# Altium PCB USB-GPIB.PcbDoc
Units mm, origin at the board's own origin, x right, y up, seen from the top; angles counter-clockwise.
Board outline 54.7 x 49.85 mm, 4 copper layers (Top Layer, Layer 1, Layer 2, Bottom Layer), stack 1.585 mm thick; 46 components, 65 nets, 245 pads, 133 vias.
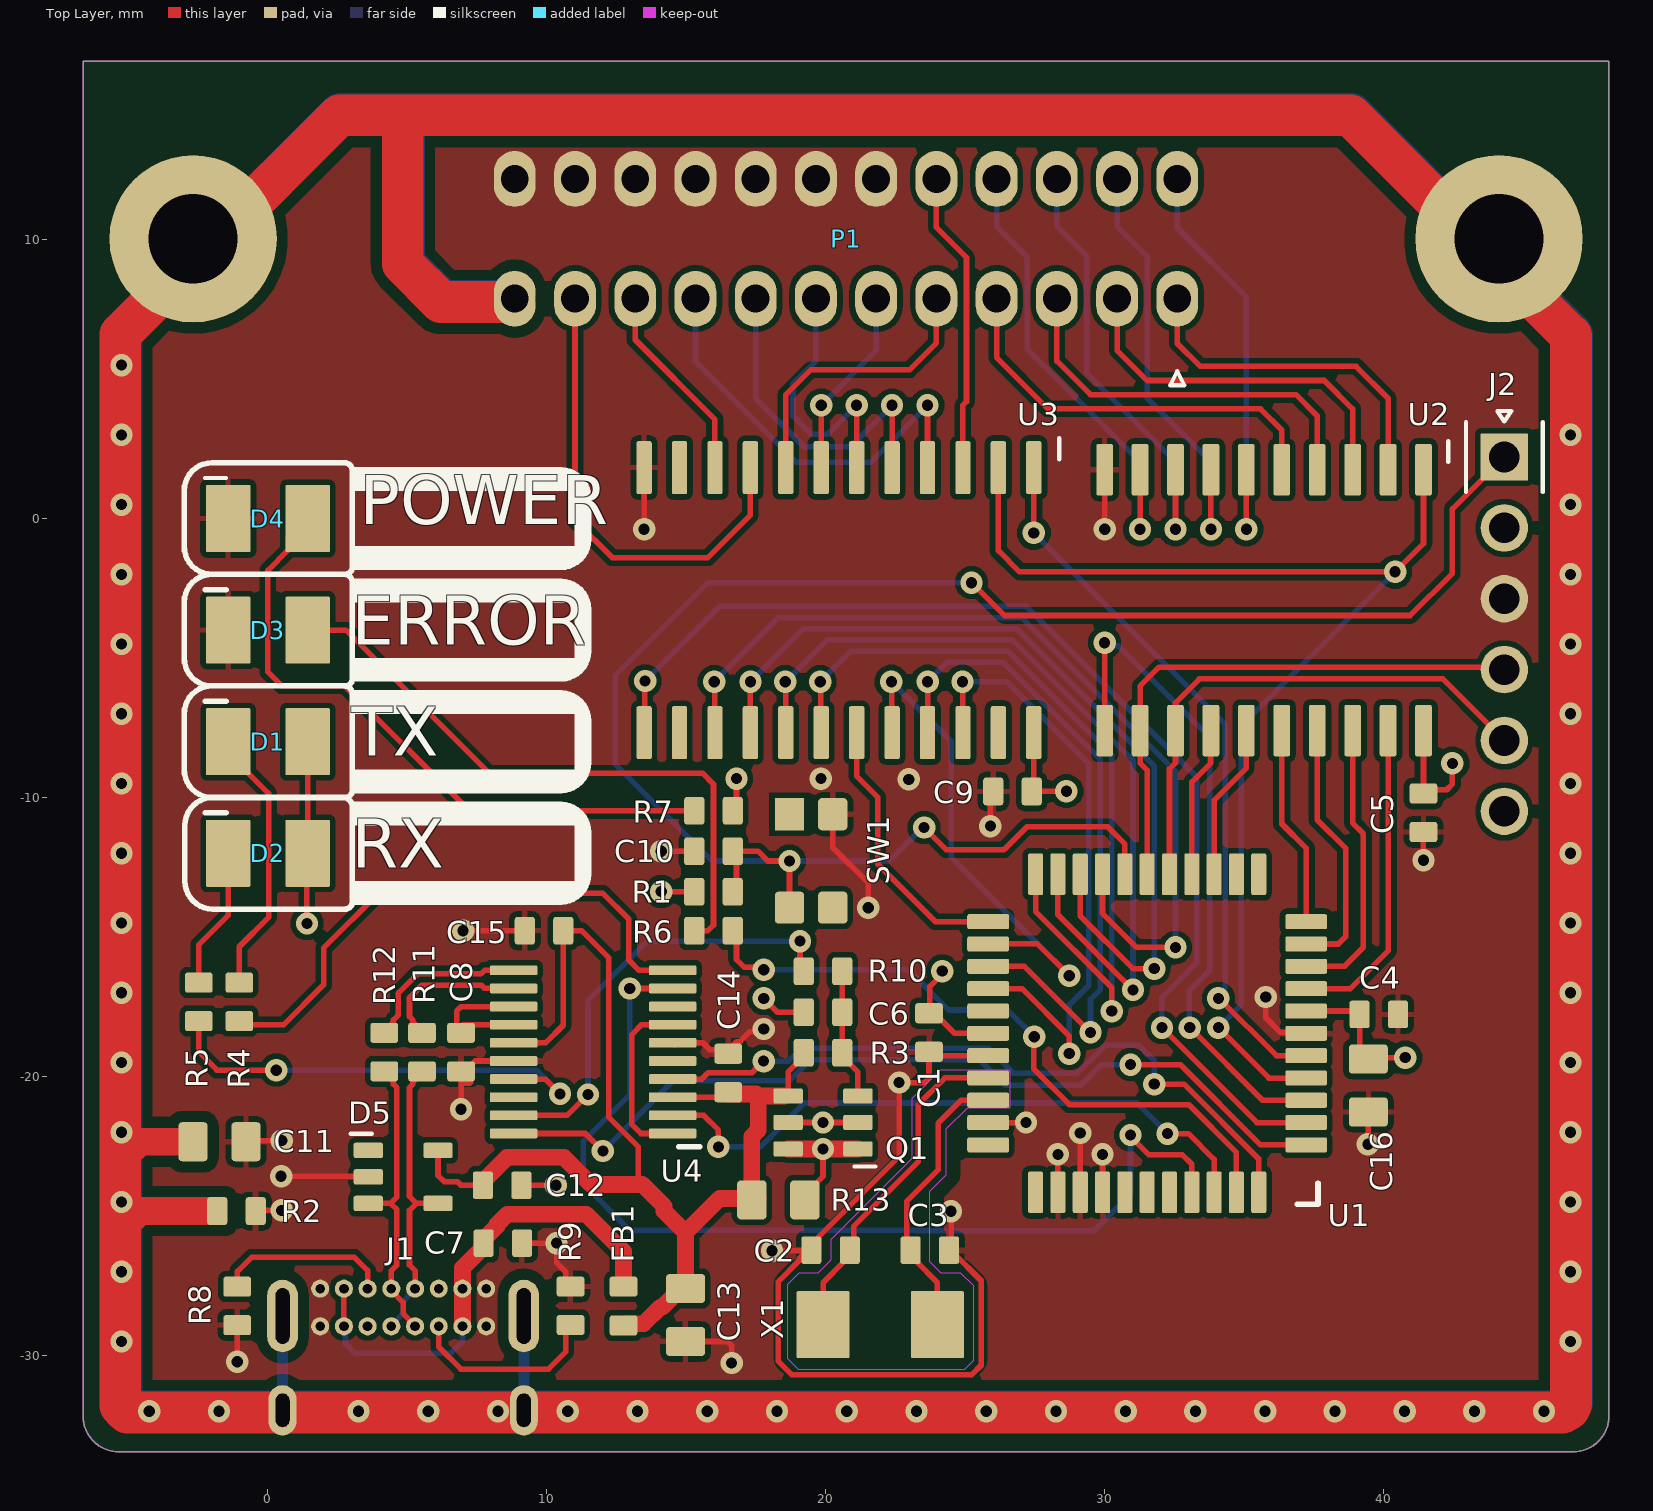
[diagram p0: Top Layer view]
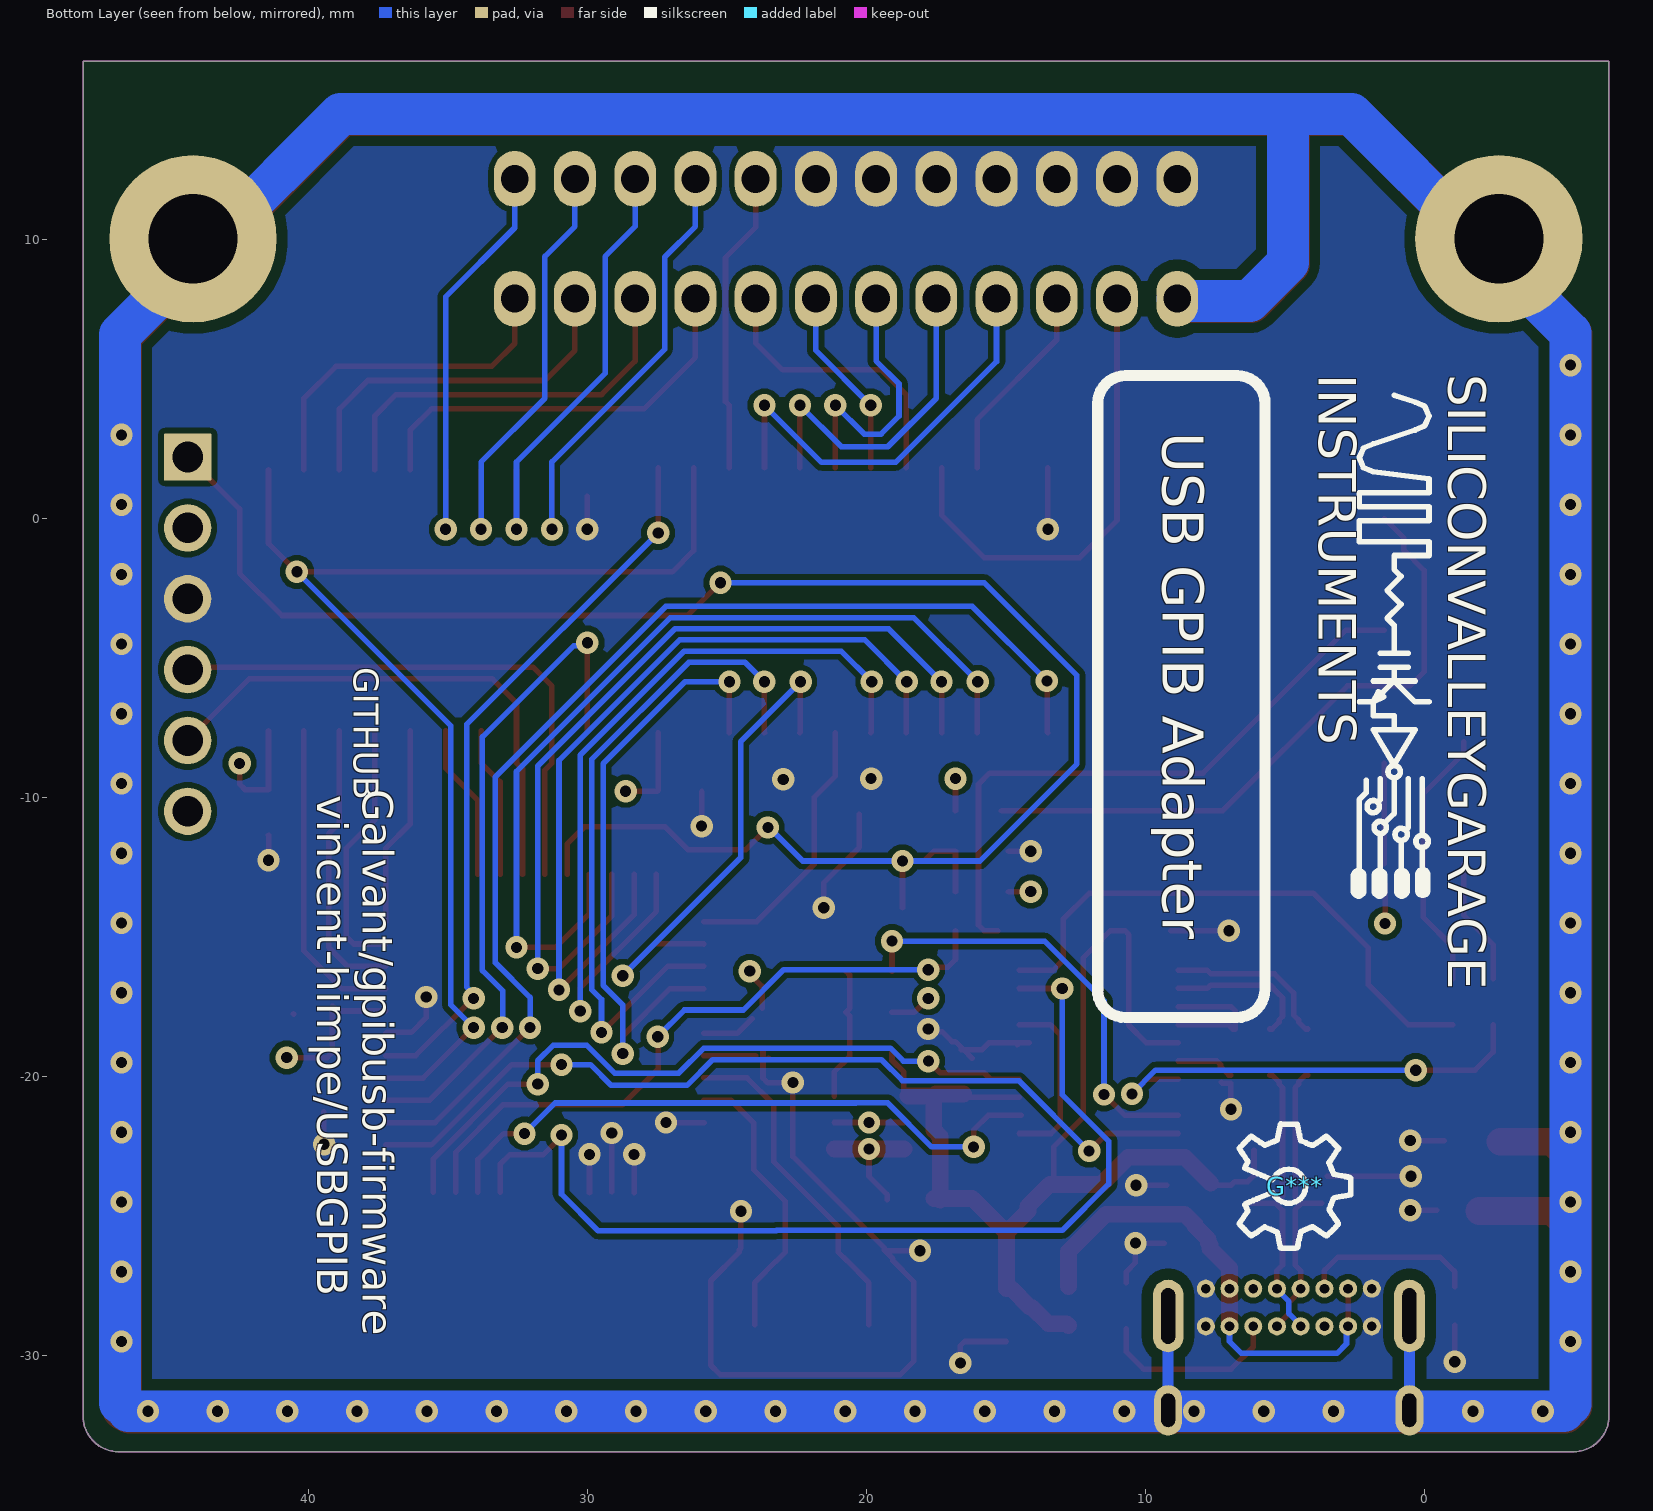
[diagram p1: Bottom Layer view, seen from below]
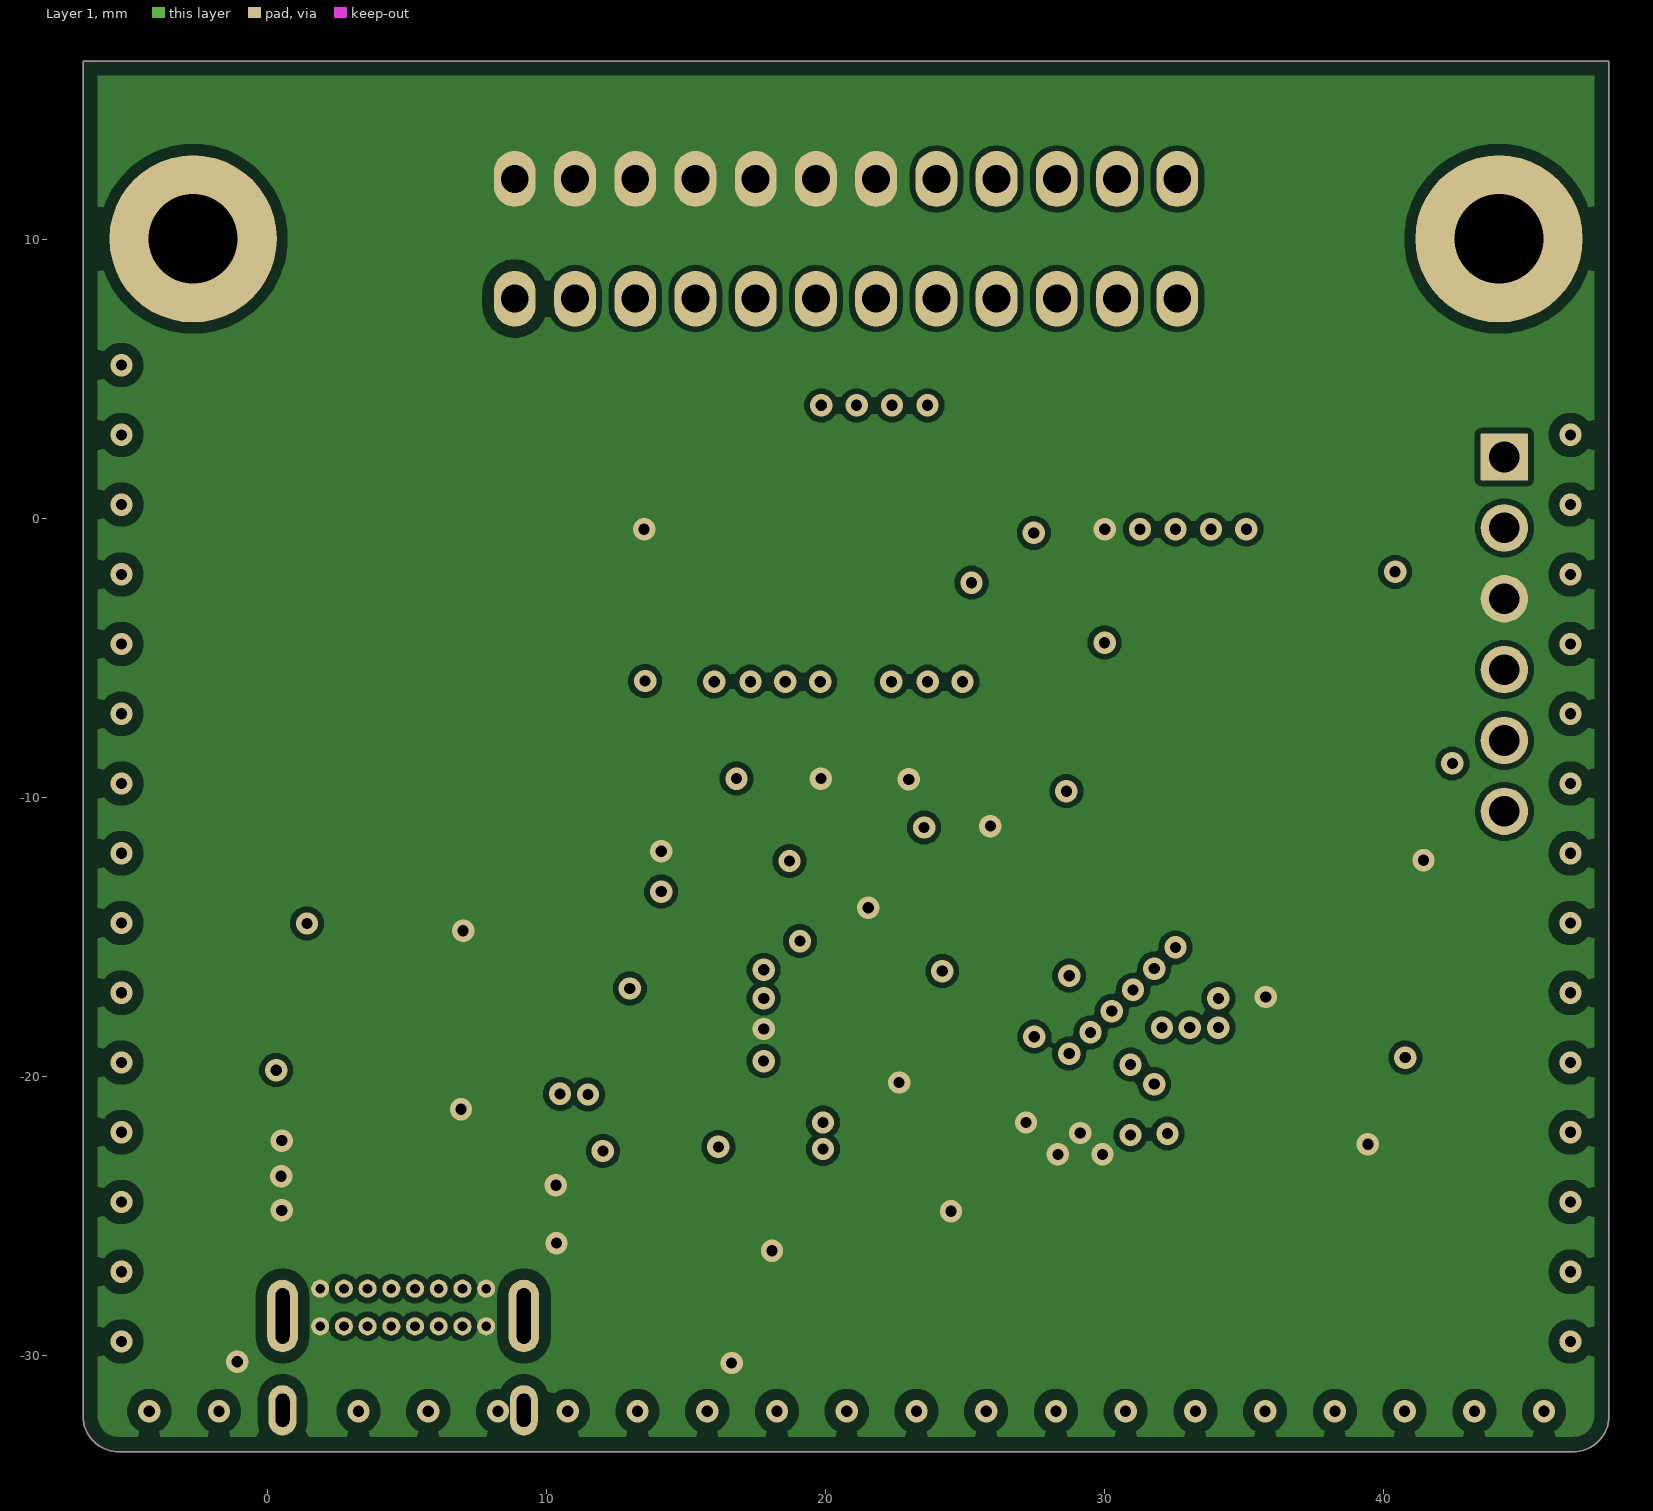
[diagram p2: Layer 1]
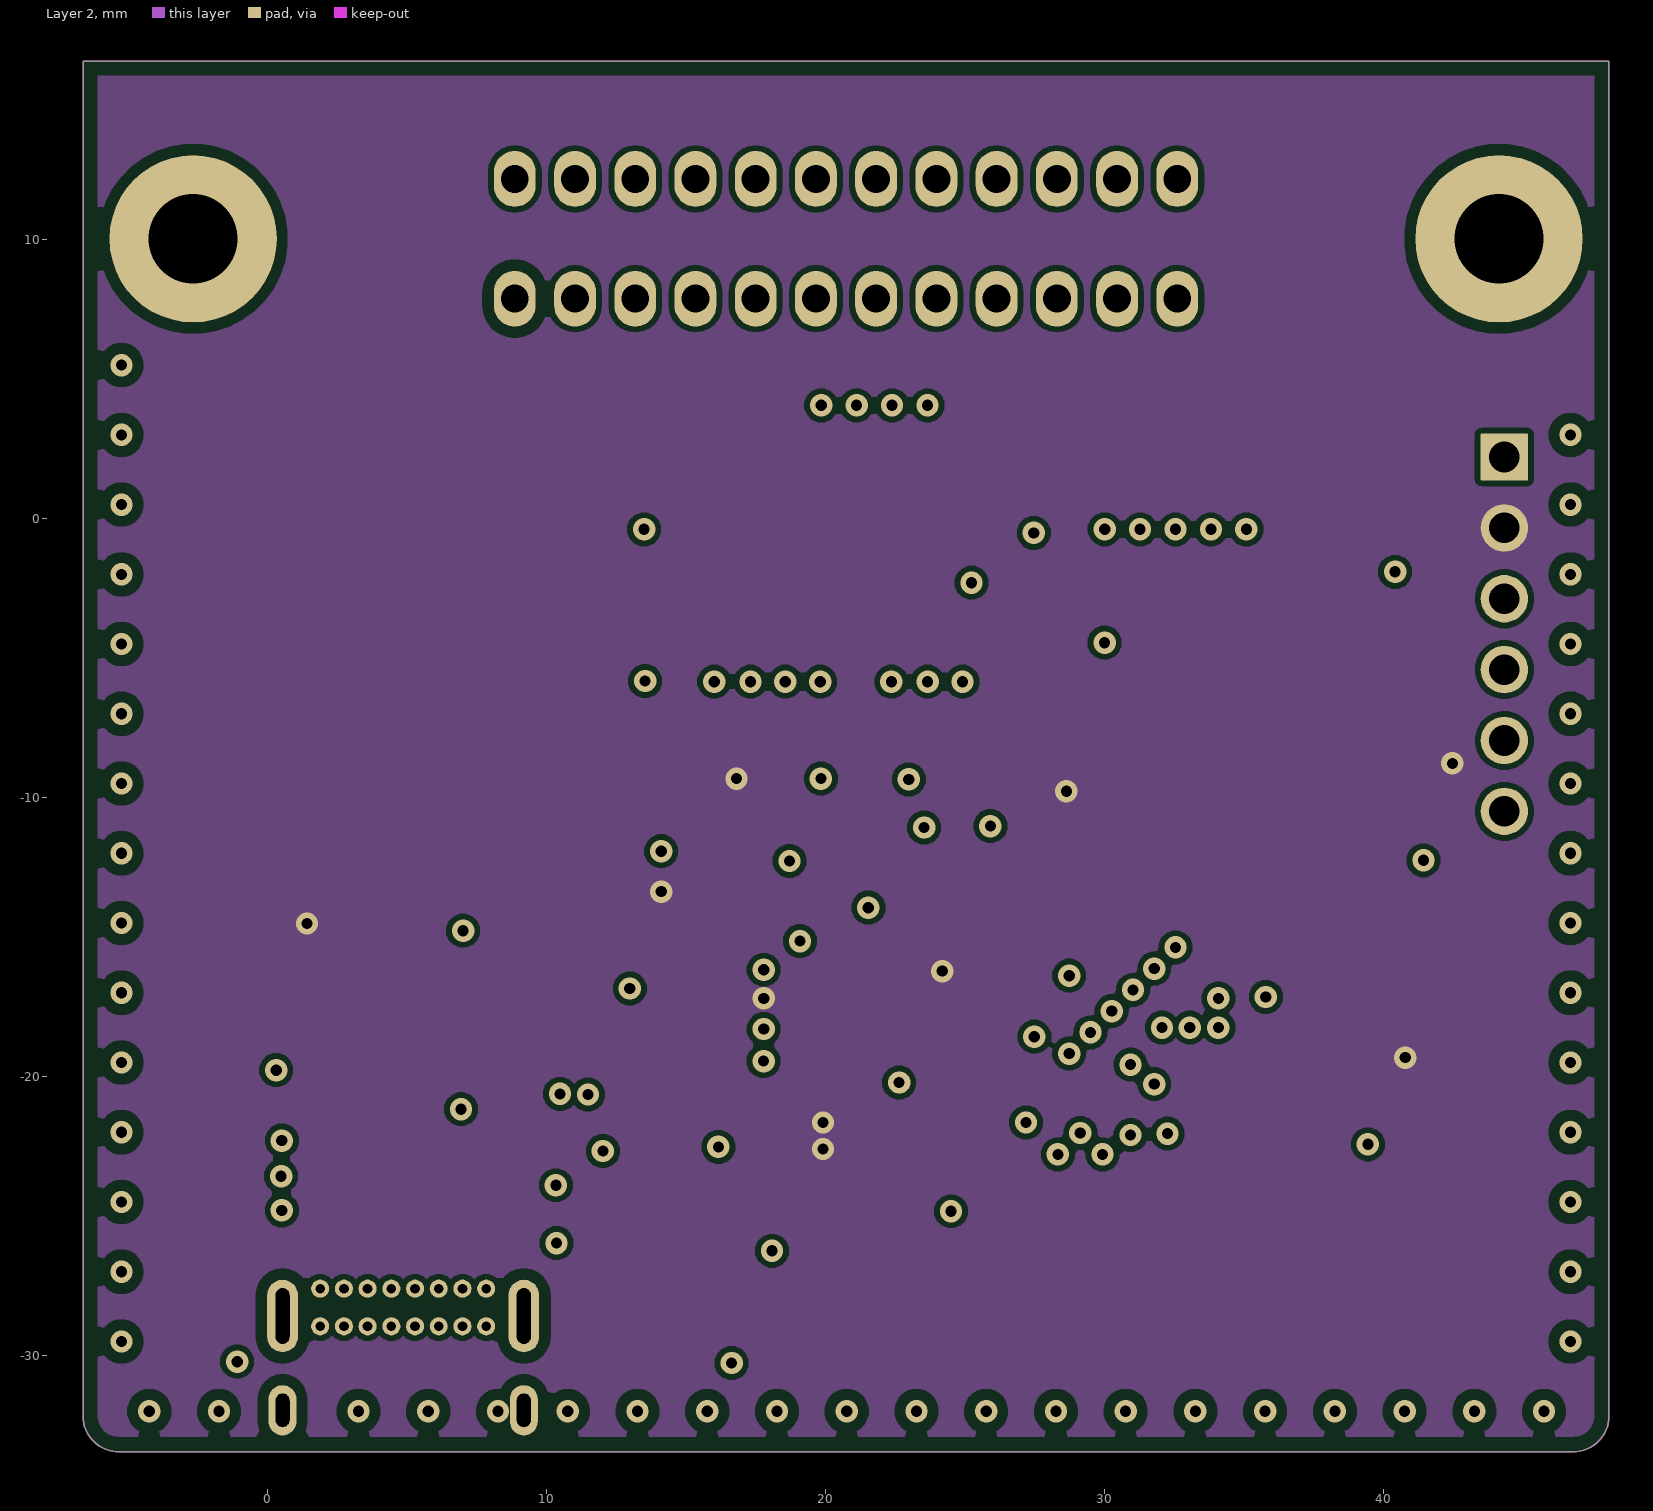
[diagram p3: Layer 2]
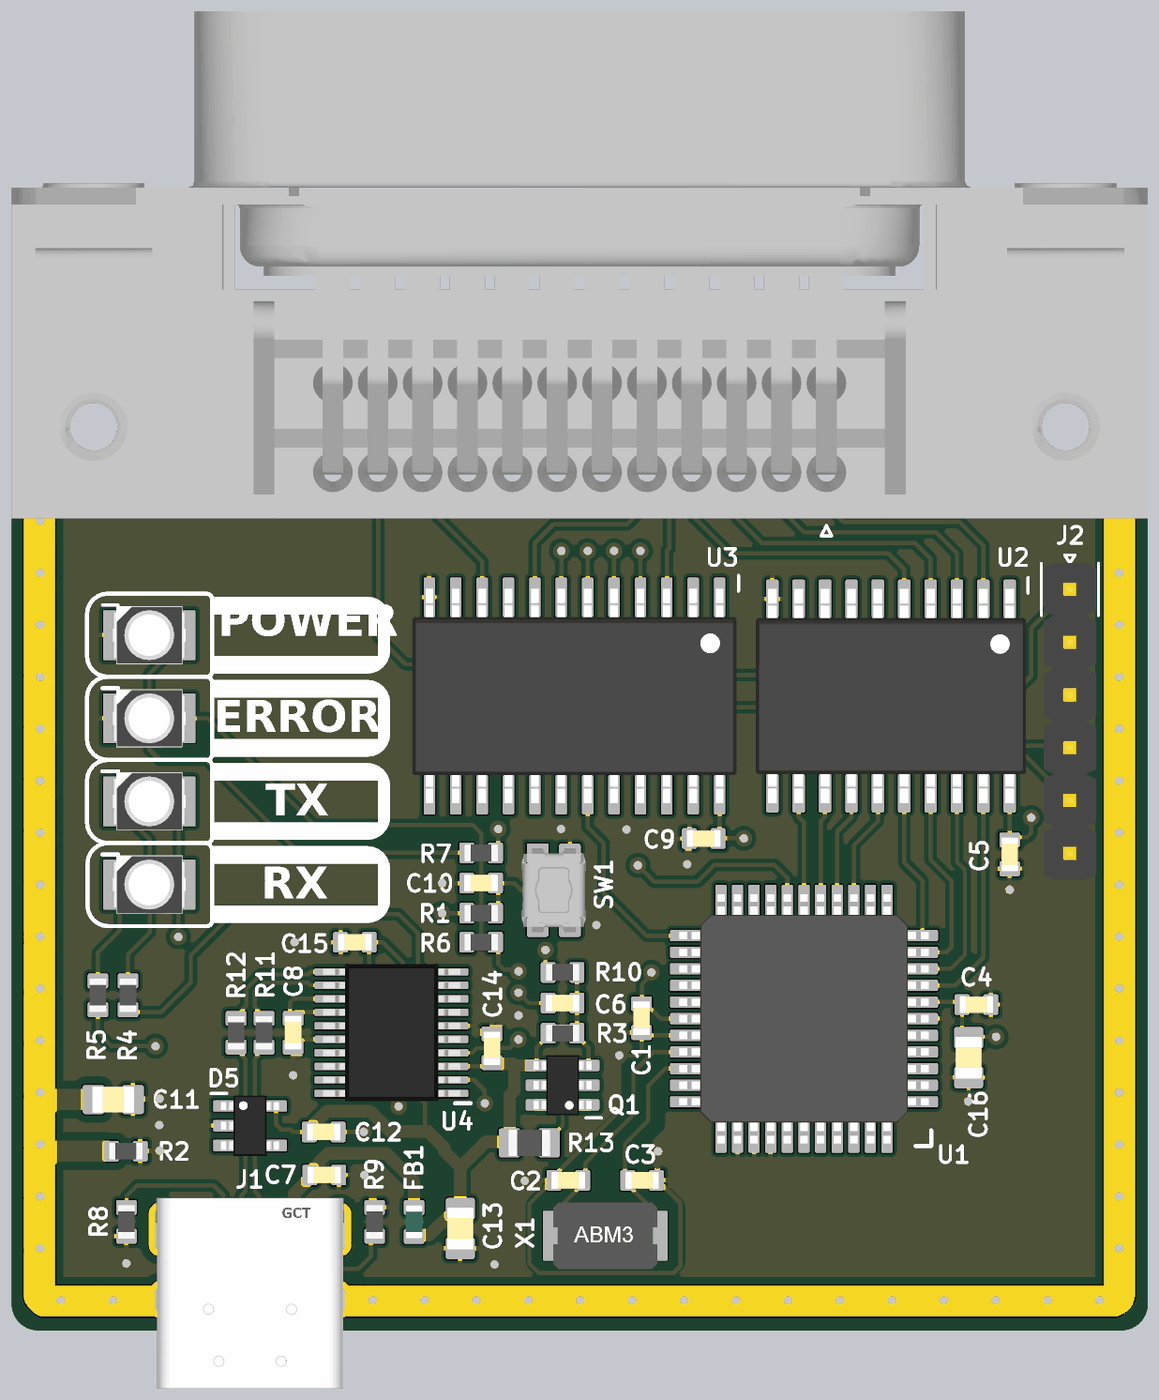
[diagram p4: 3D render of the assembled board from above, using the file's embedded part models]

## Layer stack, top to bottom
Top Solder: solder mask 0.01, Solder Resist, Dk 3.5
Top Layer: signal copper 0.035
Dielectric 2: prepreg 0.21, 7628 X 1, Dk 4.1
Layer 1: signal copper 0.015
Dielectric 1: core 1.065, FR-4, Dk 4.8
Layer 2: signal copper 0.015
Dielectric 3: prepreg 0.21, 7628 X 1, Dk 4.1
Bottom Layer: signal copper 0.035
Board Layer Stack Bottom Solder: solder mask 0.01, Solder Resist, Dk 3.5

## Board outline
-6.625,-32.18 ccw(c-5.355,-32.18) -5.355,-33.45 46.805,-33.45 ccw(c46.805,-32.18) 48.075,-32.18 48.075,16.4 -6.625,16.4

## Design rules (kind name [scope] priority, off if disabled: settings)
Clearance Clearance_2 [InNet('SHIELD')] p1: gap=0.4 ignorepadtopadclearanceinfootprint=FALSE
Clearance Clearance_1 [All vs IsKeepOut] p2: gap=0.5 ignorepadtopadclearanceinfootprint=FALSE
Clearance [All] p3: gap=0.2 ignorepadtopadclearanceinfootprint=FALSE
HoleSize [All] p1: absolutevalues=TRUE maxlimit=10 minlimit=0.025 maxpercent=80.000 minpercent=20.000
MinimumSolderMaskSliver [All] p1: minsoldermaskwidth=0.075
PolygonConnect [All] p1: thpad.connectstyle=Direct thpad.reliefconductorwidth=0.254 thpad.reliefentries=4 thpad.polygonreliefangle="90 Angle" thpad.airgapwidth=0.254 smdpad.connectstyle=Relief smdpad.reliefconductorwidth=0.2 smdpad.reliefentries=4 smdpad.polygonreliefangle="90 Angle" smdpad.airgapwidth=0.2 via.connectstyle=Direct via.reliefconductorwidth=0.254 via.reliefentries=4 via.polygonreliefangle="90 Angle" via.airgapwidth=0.254
RoutingVias [All] p1: holewidth=0.4 width=0.8 viastyle="Through Hole" minholewidth=0.4 minwidth=0.8 maxholewidth=0.5 maxwidth=1
SilkToSilkClearance [All] p1: silktosilkclearance=0.15
SilkToSolderMaskClearance [IsPad] p1: minsilkscreentomaskgap=0.1 clearancetoexposedcopper=TRUE
SolderMaskExpansion [All] p1: expansion=0.102 istentingtop=FALSE
SupplyNets "Schematic Supply Nets_6" [InNet('GROUND (RETURN)')] p1: voltage=0.000
SupplyNets "Schematic Supply Nets_5" [InNet('SUPPLY')] p2: voltage=0.000
SupplyNets "Schematic Supply Nets_4" [InNet('NET ON SAME PAGE')] p3: voltage=0.000
SupplyNets "Schematic Supply Nets_3" [InNet('SHIELD')] p4: voltage=0.000
SupplyNets "Schematic Supply Nets_2" [InNet('VBUS')] p5: voltage=0.000
SupplyNets "Schematic Supply Nets_1" [InNet('VCC')] p6: voltage=0.000
SupplyNets "Schematic Supply Nets" [InNet('GND')] p7: voltage=0.000
Width [All] p1: maxlimit=10 minlimit=0.2 preferedwidth=0.2
26 further rules are at their usual default settings.

## Components (designator, comment, footprint, x,y, rotation, side; value= is the part's Value field where it differs from the comment)
C1 "CAP0603" CAPC0603 23.7,-18.425 r270 top
C2 "CAP0603" CAPC0603 20.174,-26.229 r180 top
C3 "CAP0603" CAPC0603 23.73,-26.229 r0 top
C4 "CAP0603" CAPC0603 39.825,-17.775 r0 top
C5 "CAP0603" CAPC0603 41.427,-10.546 r270 top
C6 "CAP0603" CAPC0603 19.9,-17.7 r0 top
C7 "CAP0603" CAPC0603 8.425,-25.975 r0 top
C8 "CAP0603" CAPC0603 6.925,-19.125 r270 top locked
C9 "CAP0603" CAPC0603 26.695,-9.784 r180 top
C10 "CAP0603" CAPC0603 15.975,-11.925 r180 top
C11 "CAP0805" CAPC0805 -1.733,-22.341 r0 top locked
C12 "CAP0603" CAPC0603 8.4,-23.9 r0 top
C13 "CAP0805" CAPC0805 14.975,-28.55 r270 top
C14 "CAP0603" CAPC0603 16.5,-19.875 r90 top
C15 "CAP0603" CAPC0603 9.9,-14.775 r180 top
C16 "CAP0805" CAPC0805 39.45,-20.325 r270 top
D1 "LED-PLCC2-GREEN" LED-PLCC2-GREEN 0,-8 r0 top
D2 "LED-PLCC2-GREEN" LED-PLCC2-GREEN 0,-12 r0 top
D3 "LED-PLCC2-RED" LED-PLCC2-RED 0,-4 r0 top
D4 "LED-PLCC2-BLUE" LED-PLCC2-BLUE 0,0 r0 top
D5 "TVS-WURTH-824011" SOT23-5 4.85,-23.6 r0 top
FB1 "FB0603" FB0603 12.75,-28.225 r270 top value=1KZ
G*** "Comment" LOGO 4.626,-23.929 r270 bottom value=LOGO
J1 "CONN-USBC-USB2-HOR" CONN-GCT-USB4085 4.851,-31.632 r0 top locked
J2 "CONN-HEADER-PIN-1X6" HEADER-1X6 44.325,-4.145 r270 top
P1 "CONN-NORCOMP-112-024-113R001" CONN-NORCOMP-112-024-113R001 20.726,10.028 r0 top
Q1 "SI3443" SOT23-6 19.9,-21.65 r180 top
R1 "RESC0603" RESC0603 15.975,-13.375 r0 top value=10K
R2 "RESC0603" RESC0603 -1.125,-24.825 r0 top locked value=4K7
R3 "RESC0603" RESC0603 19.9,-19.15 r180 top value=10K
R4 "RESC0603" RESC0603 -1.025,-17.325 r90 top value=1K
R5 "RESC0603" RESC0603 -2.475,-17.325 r90 top value=1K
R6 "RESC0603" RESC0603 15.975,-14.775 r180 top value=1K
R7 "RESC0603" RESC0603 15.976,-10.475 r180 top value=1K
R8 "RESC0603" RESC0603 -1.1,-28.225 r90 top value=5K1
R9 "RESC0603" RESC0603 10.85,-28.225 r90 top value=5K1
R10 "RESC0603" RESC0603 19.9,-16.225 r0 top value=1K
R11 "RESC0603" RESC0603 5.525,-19.125 r90 top locked value=27R
R12 "RESC0603" RESC0603 4.175,-19.125 r90 top locked value=27R
R13 "RESC0805" RESC0805 18.3,-24.425 r0 top value=0R
SW1 "SWITCH-PANASONIC-EVP-AA202K" SWITCH-PANASONIC-EVP-AA202K 19.475,-12.275 r270 top
U1 "PIC18F4520" QFP80P1200X1200-44N 31.521,-18.453 r180 top locked
U2 "SN75160B" SO127P1030-20N 35.712,-2.926 r270 top locked
U3 "SN75162B" SO127P1030-24N 20.472,-2.926 r270 top locked
U4 "IC-FTDI-FT231XS-R" SO65P640X110-20N 11.65,-19.125 r180 top
X1 "CRYSTAL-2PIN" XTAL-ABRACON-ABM3 21.952,-28.896 r0 top

## Footprints (in the part's own frame and the unit in brackets; to place one, negate y for a bottom-side part, rotate by r counter-clockwise, add the part's x,y. Pads: shape width x height; smd on the part's side, far side on the other; paste and mask are expansions set on the pad)
CAPC0603 [mm] "CAPACITOR, CHIP 0603 (1608) 0.5MM THICK"
  rrect25% 0.72x0.99 smd paste+0 mask+0.075: 1(-0.69,0) 2(0.69,0)
  body extent -0.81,-0.41 0.81,0.41, height 0.51
CAPC0805 [mm] "CAPACITOR, CHIP 0805 (2012) 0.85MM THICK"
  rrect25% 1.05x1.4 smd paste+0 mask+0.075: 1(-0.95,0) 2(0.95,0)
  body extent -1.01,-0.63 1.01,0.64, height 0.86
CONN-GCT-USB4085 [mm]
  rrect100% 1.1x2.6 hole 0.5 slot 2 at 90 deg paste-2539.97 mask+0.05: 1(-4.325,3.045) 2(4.325,3.045)
  rrect100% 1x1.8 hole 0.5 slot 1.2 at 90 deg paste-2539.97 mask+0.05: 3(-4.325,-0.335) 4(4.325,-0.335)
  round 0.65 hole 0.35 paste-2539.97 mask+0.05: A1(-2.975,4.025) A4(-2.125,4.025) A5(-1.275,4.025) A6(-0.425,4.025) A7(0.425,4.025) A8(1.275,4.025) A9(2.125,4.025) A12(2.975,4.025) B1(2.975,2.675) B4(2.125,2.675) B5(1.275,2.675) B6(0.425,2.675) B7(-0.425,2.675) B8(-1.275,2.675) B9(-2.125,2.675) B12(-2.975,2.675)
  body extent -4.87,-4.83 4.87,4.83, height 0.25
CONN-NORCOMP-112-024-113R001 [mm] "GPIB MALE RA"
  oval 1.5x2 hole 1 paste-2539.97 mask+0.05: 1(11.874,-2.146) 2(9.716,-2.146) 3(7.556,-2.146) 4(5.397,-2.146) 5(3.238,-2.146) 6(1.079,-2.146) 7(-1.079,-2.146) 8(-3.238,-2.146) 9(-5.397,-2.146) 10(-7.556,-2.146) 11(-9.716,-2.146) 12(-11.874,-2.146) 13(11.874,2.146) 14(9.716,2.146) 15(7.556,2.146) 16(5.397,2.146) 17(3.238,2.146) 18(1.079,2.146) 19(-1.079,2.146) 20(-3.238,2.146) 21(-5.397,2.146) 22(-7.556,2.146) 23(-9.716,2.146) 24(-11.874,2.146)
  round 6 hole 3.2 paste-2539.97 mask+0.254: ME1(23.406,0) ME2(-23.406,0)
  silkscreen extent 11.63,-5.25 12.12,-4.75, body extent -27.36,-4.4 27.34,20, height 15.61
FB0603 [mm] "FERRITE BEAD 0603 (1608)"
  rrect25% 0.72x0.99 smd mask+0.075: 1(-0.69,0) 2(0.7,0)
  body extent -0.8,-0.4 0.8,0.4, height 0.95
HEADER-1X6 [mm]
  rrect5% 1.7x1.7 hole 1.1 mask+0.05: 1(-6.35,0)
  round 1.7 hole 1.1 mask+0.05: 2(-3.81,0) 3(-1.27,0) 4(1.27,0) 5(3.81,0) 6(6.35,0)
  silkscreen extent -8,-1.38 -5.1,1.38, body extent -7.62,-1.27 7.62,1.27, height 8.55
LED-PLCC2-BLUE [mm] "SMD Mono-color TOP LED, body 3.2x2.8mm"
  rrect6% 1.6x2.4 smd mask+0.05: 1(-1.425,0) 2(1.425,0)
  silkscreen extent -2.25,1.45 -1.5,1.45, body extent -1.75,-1.4 1.75,1.4, height 1.9
LED-PLCC2-GREEN [mm] "SMD Mono-color TOP LED, body 3.2x2.8mm"
  rrect6% 1.6x2.4 smd mask+0.05: 1(-1.425,0) 2(1.425,0)
  silkscreen extent -2.25,1.45 -1.5,1.45, body extent -1.75,-1.4 1.75,1.4, height 1.9
LED-PLCC2-RED [mm] "SMD Mono-color TOP LED, body 3.2x2.8mm"
  rrect6% 1.6x2.4 smd mask+0.05: 1(-1.425,0) 2(1.425,0)
  silkscreen extent -2.25,1.45 -1.5,1.45, body extent -1.75,-1.4 1.75,1.4, height 1.9